# KiCad board CXD-ROUTER-V1.0_PUBLISH.kicad_pcb (continued)
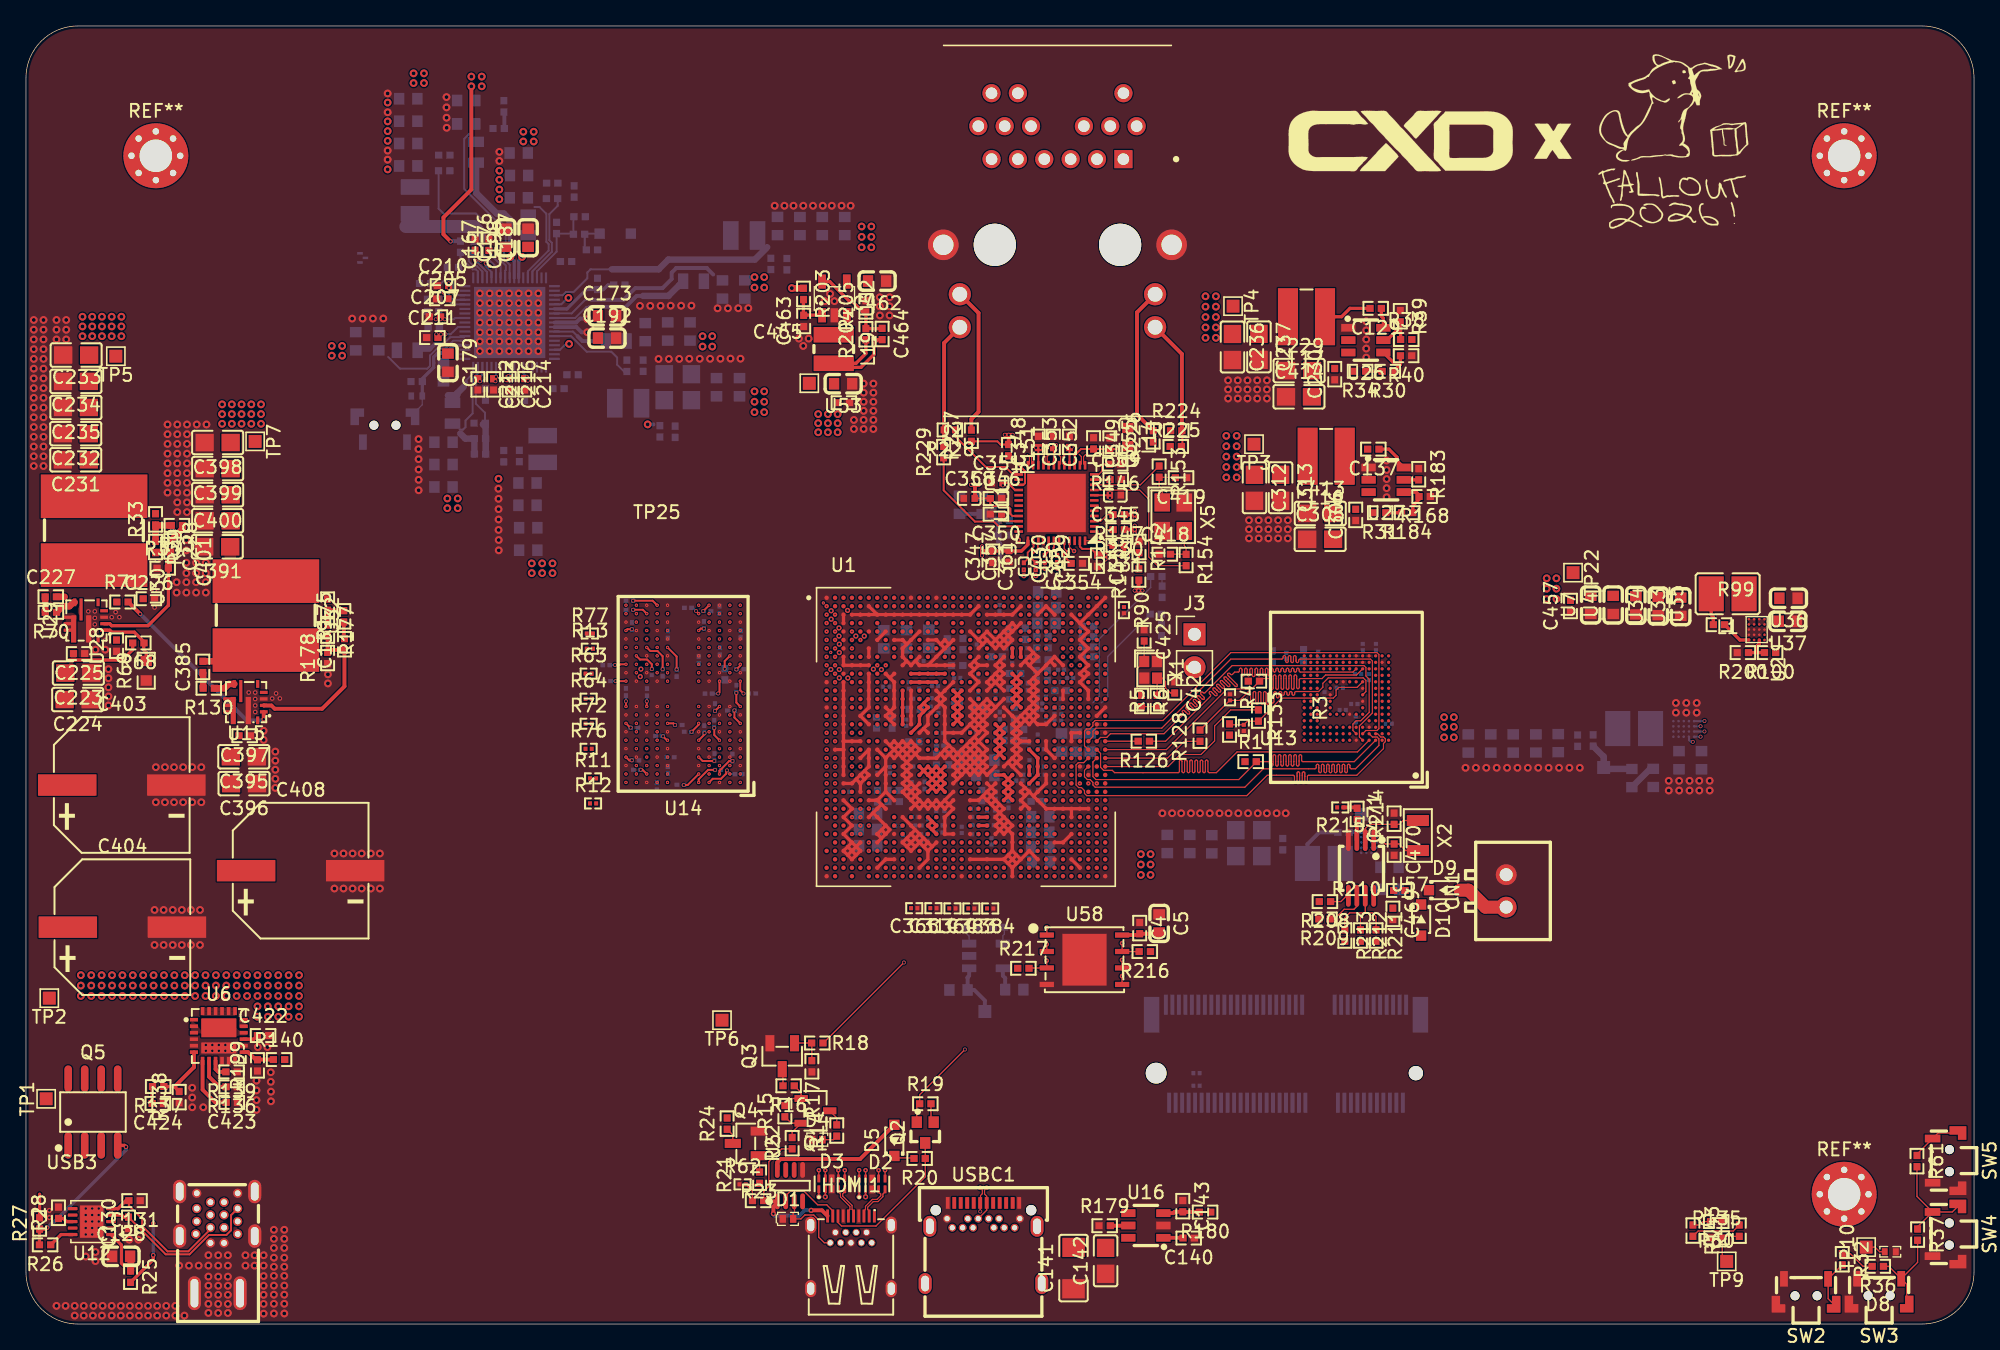
[diagram p0: board, top side]
## Routing (per net, layer and track width the routed paths; a pad name or vN(x,y) marks a point on that pad's centre or on a via; arc(x,y) is an arc through that point) (continued)
DDR_CH0_DQ15_B: length 26
  In1.Cu w0.09: v2(48.6,54.73) v7(48.9,55.03)
  In2.Cu w0.09: v2(61.65,54) v11(61.3,54)
  In2.Cu w0.131: v7(48.9,55.03) 48.9,55.43 48.92,55.44 arc(48.95,55.52) 48.92,55.59 48.75,55.76 arc(48.72,55.84) 48.75,55.91 arc(48.82,55.94) 48.9,55.91 49.07,55.74 arc(49.14,55.71) 49.22,55.74 49.22,55.75 arc(49.25,55.82) 49.22,55.89 arc(49.2,55.96) 49.22,56.03 49.23,56.04 arc(49.3,56.07) 49.37,56.04 arc(49.44,56.01) 49.52,56.04 49.52,56.05 arc(49.55,56.12) 49.52,56.19 arc(49.49,56.26) 49.52,56.33 49.53,56.34 arc(49.6,56.37) 49.67,56.34 arc(49.74,56.31) 49.81,56.34 arc(49.84,56.41) 49.81,56.49 49.75,56.55 arc(49.72,56.62) 49.75,56.7 arc(49.82,56.73) 49.9,56.7 49.96,56.64 arc(50.04,56.6) 50.11,56.64 arc(50.14,56.71) 50.11,56.78 49.84,57.06 arc(49.8,57.13) 49.84,57.21 arc(49.91,57.24) 49.98,57.21 50.58,56.62 arc(50.65,56.58) 50.73,56.62 arc(50.76,56.69) 50.73,56.76 50.13,57.36 arc(50.1,57.43) 50.13,57.51 arc(50.21,57.54) 50.28,57.51 50.88,56.91 arc(50.95,56.88) 51.02,56.91 arc(51.06,56.99) 51.02,57.06 50.43,57.66 arc(50.4,57.73) 50.43,57.8 arc(50.51,57.84) 50.58,57.8 51.17,57.21 arc(51.25,57.18) 51.32,57.21 arc(51.35,57.29) 51.32,57.36 50.73,57.95 arc(50.7,58.03) 50.73,58.1 arc(50.8,58.13) 50.88,58.1 51.47,57.51 arc(51.55,57.48) 51.62,57.51 arc(51.65,57.58) 51.62,57.66 51.27,58 arc(51.24,58.08) 51.27,58.15 arc(51.35,58.18) 51.42,58.15 51.45,58.12 arc(51.53,58.09) 51.6,58.12 57.05,58.12 61.17,54 v11(61.3,54)
DDR_CH0_DQS0_A_N: length 15.7
  In1.Cu w0.09: v2(63.6,45.55) v7(63.32,45.83)
  In1.Cu w0.1: v7(53.09,44.61) 53.11,44.61 v2(53.4,44.33)
  In2.Cu w0.103: v7(53.09,44.61) 52.99,44.71 52.99,44.92 53.15,45.07 arc(53.23,45.1) 53.32,45.07 arc(53.4,45.03) 53.48,45.07 53.49,45.08 arc(53.53,45.16) 53.49,45.25 arc(53.46,45.33) 53.49,45.42 53.5,45.42 arc(53.59,45.46) 53.67,45.42 arc(53.76,45.39) 53.84,45.42 53.85,45.43 arc(53.89,45.52) 53.85,45.6 arc(53.82,45.69) 53.85,45.77 53.86,45.78 arc(53.95,45.82) 54.03,45.78 arc(54.12,45.75) 54.2,45.78 54.21,45.79 arc(54.25,45.88) 54.21,45.96 arc(54.17,46.05) 54.21,46.13 54.22,46.14 arc(54.3,46.18) 54.39,46.14 arc(54.47,46.1) 54.56,46.14 54.57,46.15 arc(54.6,46.23) 54.57,46.32 arc(54.53,46.4) 54.57,46.49 54.58,46.5 arc(54.66,46.53) 54.75,46.5 arc(54.83,46.46) 54.92,46.5 54.93,46.51 arc(54.96,46.59) 54.93,46.68 arc(54.89,46.76) 54.93,46.85 54.93,46.86 arc(55.02,46.89) 55.1,46.86 arc(55.19,46.82) 55.27,46.86 55.28,46.87 arc(55.32,46.95) 55.28,47.03 arc(55.25,47.12) 55.28,47.2 55.58,47.5 62.67,47.5 63.52,46.66 63.52,46.03 v7(63.32,45.83)
DDR_CH0_DQS0_A_P: length 15.7
  In1.Cu w0.09: v2(64.25,45.55) v7(63.97,45.83)
  In1.Cu w0.1: v2(53.4,43.68) 53.11,43.97 v7(53.08,43.97)
  In2.Cu w0.103: v7(63.97,45.83) 63.77,46.03 63.77,46.76 62.78,47.75 55.47,47.75 52.69,44.96 52.69,44.36 v7(53.08,43.97)
DDR_CH0_DQS0_B_N: length 32.2
  In1.Cu w0.09: v7(53.1,52.48) v2(53.4,52.78) 53.45,52.78 ; v2(65.55,50.75) v4(65.25,50.45)
  In2.Cu w0.103: v4(65.25,50.45) 65.25,50.16 65.22,50.13 arc(65.12,50.09) 65.01,50.13 64.8,50.34 arc(64.7,50.38) 64.59,50.34 arc(64.55,50.23) 64.59,50.13 64.8,49.92 arc(64.84,49.81) 64.8,49.71 arc(64.69,49.66) 64.59,49.71 64.42,49.88 arc(64.31,49.92) 64.2,49.88 arc(64.16,49.77) 64.2,49.67 64.38,49.5 arc(64.42,49.39) 64.38,49.28 64.22,49.13 46.55,49.13 45.99,49.69 45.99,50.68 46.43,51.12 52.57,51.12 53,51.56 53,52.38 v7(53.1,52.48)
DDR_CH0_DQS0_B_P: length 32.1
  In1.Cu w0.09: v2(66.2,50.75) v4(65.87,50.42) ; v2(53.4,53.43) v7(53.1,53.12)
  In2.Cu w0.103: v7(53.1,53.12) 52.75,52.78 52.75,51.66 52.46,51.38 46.33,51.38 45.73,50.78 45.73,49.59 46.45,48.87 64.32,48.87 v4(65.87,50.42)
DDR_CH0_DQS1_A_N: length 22.9
  In1.Cu w0.09: v7(63.93,43.28) v2(63.6,42.95)
  In1.Cu w0.1: v2(47.8,44.33) 48.11,44.64 v7(48.14,44.64)
  In2.Cu w0.103: v7(63.93,43.28) 64.12,43.47 64.12,45.25 64.47,45.6 64.47,46.41 62.88,48 51.2,48 48.14,44.94 v7(48.14,44.64)
DDR_CH0_DQS1_A_P: length 24.6
  In1.Cu w0.09: v2(64.25,42.95) 64.57,43.27 v7(64.58,43.27)
  In1.Cu w0.1: v2(47.8,43.68) v7(48.15,44.03)
  In2.Cu w0.103: v7(64.58,43.27) 64.38,43.47 64.38,45.15 64.73,45.5 64.73,46.52 63.17,48.07 62.99,48.26 51.09,48.26 47.73,44.9 47.73,44.44 v7(48.15,44.03)
DDR_CH0_DQS1_B_N: length 32.4
  In1.Cu w0.09: v2(63.6,52.7) v4(63.9,53) ; v2(47.8,52.78) v7(47.5,52.48)
  In2.Cu w0.103: v7(47.5,52.48) 47.5,52.21 47.19,51.91 45.99,51.91 45.23,52.67 45.23,56.5 49.04,60.32 58.79,60.32 64.1,55.02 64.1,53.2 v4(63.9,53)
DDR_CH0_DQS1_B_P: length 35.2
  In1.Cu w0.09: v2(64.25,52.7) v4(64.55,53) ; v2(47.8,53.43) v7(48.1,53.12)
  In2.Cu w0.103: v7(48.1,53.12) 48.43,52.79 47.3,51.66 45.89,51.66 44.97,52.57 44.97,56.61 48.94,60.58 58.9,60.58 64.35,55.12 64.35,53.2 v4(64.55,53)
DDR_CH0_LP4/4X_CKE0_A:
  vias: v2(52.6,46.93)
DDR_CH0_LP4/4X_CKE0_B:
  vias: v2(52.6,50.18)
DDR_CH0_LP4/4X_CS0_A:
  vias: v2(52.6,46.28)
DDR_CH0_LP4/4X_CS0_B:
  vias: v2(52.6,50.83)
DDR_RESET: length 1.8
  Top w0.15: v2(47,51.48) 47.28,51.2 47.83,51.2 48.19,50.83 v5(48.19,50.46)
eMMC_CLKOUT: length 34
  Top w0.09: R126.1 87.75,44.9 91.2,48.35 arc(91.23,48.42) 91.2,48.49 91.13,48.56 arc(91.1,48.63) 91.13,48.7 arc(91.2,48.73) 91.27,48.7 91.55,48.42 arc(91.62,48.39) 91.69,48.42 arc(91.72,48.49) 91.69,48.57 91.42,48.84 arc(91.39,48.91) 91.42,48.99 arc(91.49,49.01) 91.56,48.99 91.84,48.71 arc(91.91,48.68) 91.98,48.71 arc(92.01,48.78) 91.98,48.85 91.7,49.13 arc(91.67,49.2) 91.7,49.27 arc(91.77,49.3) 91.84,49.27 92.12,48.99 arc(92.19,48.96) 92.26,48.99 arc(92.29,49.06) 92.26,49.13 91.98,49.41 arc(91.95,49.48) 91.98,49.55 arc(92.05,49.58) 92.12,49.55 92.54,49.13 arc(92.61,49.1) 92.68,49.13 arc(92.71,49.2) 92.68,49.27 92.26,49.69 arc(92.23,49.76) 92.26,49.83 arc(92.33,49.86) 92.41,49.83 93.11,49.13 arc(93.18,49.1) 93.25,49.13 arc(93.28,49.2) 93.25,49.27 92.55,49.98 arc(92.52,50.05) 92.55,50.12 arc(92.62,50.15) 92.69,50.12 92.76,50.05 arc(92.83,50.02) 92.9,50.05 93.08,50.23 93.34,50.23 arc(93.41,50.25) 93.44,50.33 93.44,50.42 arc(93.46,50.49) 93.54,50.52 arc(93.61,50.49) 93.64,50.42 93.64,50.03 arc(93.66,49.96) 93.74,49.93 arc(93.81,49.96) 93.84,50.03 93.84,50.42 arc(93.86,50.49) 93.94,50.52 arc(94.01,50.49) 94.04,50.42 94.04,50.03 arc(94.06,49.96) 94.14,49.93 arc(94.21,49.96) 94.24,50.03 94.24,50.42 arc(94.26,50.49) 94.34,50.52 arc(94.41,50.49) 94.44,50.42 94.44,49.98 arc(94.46,49.91) 94.54,49.88 arc(94.61,49.91) 94.64,49.98 94.64,50.42 arc(94.66,50.49) 94.74,50.52 arc(94.81,50.49) 94.84,50.42 94.84,50.03 arc(94.86,49.96) 94.94,49.93 arc(95.01,49.96) 95.04,50.03 95.04,50.42 arc(95.06,50.49) 95.14,50.52 arc(95.21,50.49) 95.24,50.42 95.24,50.03 arc(95.26,49.96) 95.34,49.93 arc(95.41,49.96) 95.44,50.03 95.44,50.42 arc(95.46,50.49) 95.54,50.52 arc(95.61,50.49) 95.64,50.42 95.64,50.03 arc(95.66,49.96) 95.74,49.93 arc(95.81,49.96) 95.84,50.03 95.84,50.42 arc(95.86,50.49) 95.94,50.52 arc(96.01,50.49) 96.04,50.42 96.04,50.33 arc(96.06,50.25) 96.14,50.23 arc(96.21,50.25) 96.24,50.33 96.24,50.42 arc(96.26,50.49) 96.34,50.52 arc(96.41,50.49) 96.44,50.42 96.44,50.33 arc(96.46,50.25) 96.54,50.23 arc(96.61,50.25) 96.64,50.33 96.64,50.42 arc(96.66,50.49) 96.74,50.52 arc(96.81,50.49) 96.84,50.42 96.84,50.33 arc(96.86,50.25) 96.94,50.23 arc(97.01,50.25) 97.04,50.33 97.04,50.42 arc(97.06,50.49) 97.14,50.52 arc(97.21,50.49) 97.24,50.42 97.24,50.33 arc(97.26,50.25) 97.34,50.23 arc(97.41,50.25) 97.44,50.33 97.44,50.42 arc(97.46,50.49) 97.54,50.52 arc(97.61,50.49) 97.64,50.42 97.64,50.33 arc(97.66,50.25) 97.74,50.23 arc(97.81,50.25) 97.84,50.33 97.84,50.42 arc(97.86,50.49) 97.94,50.52 arc(98.01,50.49) 98.04,50.42 98.04,50.33 arc(98.06,50.25) 98.14,50.23 102.17,50.23 U13.M6
eMMC_CMD: length 34.1
  Top w0.09: 83.1,44.25 87.81,44.25 92.49,48.93 94.39,48.93 R2.2 95.18,49.73 95.74,49.73 arc(95.81,49.7) 95.84,49.62 95.84,48.99 arc(95.87,48.92) 95.94,48.89 arc(96.01,48.92) 96.04,48.99 96.04,49.91 arc(96.07,49.98) 96.14,50.01 arc(96.21,49.98) 96.24,49.91 96.24,48.99 arc(96.27,48.92) 96.34,48.89 arc(96.41,48.92) 96.44,48.99 96.44,49.91 arc(96.47,49.98) 96.54,50.01 arc(96.61,49.98) 96.64,49.91 96.64,48.99 arc(96.67,48.92) 96.74,48.89 arc(96.81,48.92) 96.84,48.99 96.84,49.91 arc(96.87,49.98) 96.94,50.01 arc(97.01,49.98) 97.04,49.91 97.04,48.99 arc(97.07,48.92) 97.14,48.89 arc(97.21,48.92) 97.24,48.99 97.24,49.91 arc(97.27,49.98) 97.34,50.01 arc(97.41,49.98) 97.44,49.91 97.44,48.99 arc(97.47,48.92) 97.54,48.89 arc(97.61,48.92) 97.64,48.99 97.64,49.91 arc(97.67,49.98) 97.74,50.01 arc(97.81,49.98) 97.84,49.91 97.84,49.04 arc(97.87,48.97) 97.94,48.94 arc(98.01,48.97) 98.04,49.04 98.04,49.62 arc(98.07,49.7) 98.14,49.73 99.79,49.73 100.07,50 102.45,50 U13.M5
eMMC_D0: length 34
  Top w0.09: U13.A3 102.27,43.33 98.33,43.33 arc(98.26,43.35) 98.23,43.43 98.23,43.76 arc(98.2,43.83) 98.13,43.86 arc(98.06,43.83) 98.03,43.76 98.03,43.09 arc(98,43.02) 97.93,42.99 arc(97.86,43.02) 97.83,43.09 97.83,43.76 arc(97.8,43.83) 97.73,43.86 arc(97.66,43.83) 97.63,43.76 97.63,43.09 arc(97.6,43.02) 97.53,42.99 arc(97.46,43.02) 97.43,43.09 97.43,43.76 arc(97.4,43.83) 97.33,43.86 arc(97.26,43.83) 97.23,43.76 97.23,43.09 arc(97.2,43.02) 97.13,42.99 arc(97.06,43.02) 97.03,43.09 97.03,43.76 arc(97,43.83) 96.93,43.86 arc(96.86,43.83) 96.83,43.76 96.83,43.09 arc(96.8,43.02) 96.73,42.99 arc(96.66,43.02) 96.63,43.09 96.63,43.76 arc(96.6,43.83) 96.53,43.86 arc(96.46,43.83) 96.43,43.76 96.43,43.09 arc(96.4,43.02) 96.33,42.99 arc(96.26,43.02) 96.23,43.09 96.23,43.76 arc(96.2,43.83) 96.13,43.86 arc(96.06,43.83) 96.03,43.76 96.03,43.09 arc(96,43.02) 95.93,42.99 arc(95.86,43.02) 95.83,43.09 95.83,43.23 arc(95.8,43.3) 95.73,43.33 R1.2 94.73,43.3 93.39,41.95 82.39,41.95 82.15,42.18 82.15,43.31 U1.Y33
eMMC_D1: length 34
  Top w0.09: U13.A4 102.52,44.08 93.26,44.08 91.66,42.48 91.11,42.48 arc(91.04,42.5) 91.01,42.58 91.01,43.35 arc(90.98,43.42) 90.91,43.45 arc(90.84,43.42) 90.81,43.35 90.81,42.58 arc(90.78,42.5) 90.71,42.48 arc(90.64,42.5) 90.61,42.58 90.61,43.35 arc(90.58,43.42) 90.51,43.45 arc(90.44,43.42) 90.41,43.35 90.41,42.58 arc(90.38,42.5) 90.31,42.48 arc(90.24,42.5) 90.21,42.58 90.21,43.35 arc(90.18,43.42) 90.11,43.45 arc(90.04,43.42) 90.01,43.35 90.01,42.58 arc(89.98,42.5) 89.91,42.48 arc(89.84,42.5) 89.81,42.58 89.81,43.35 arc(89.78,43.42) 89.71,43.45 arc(89.64,43.42) 89.61,43.35 89.61,42.58 arc(89.58,42.5) 89.51,42.48 arc(89.44,42.5) 89.41,42.58 89.41,43.35 arc(89.38,43.42) 89.31,43.45 arc(89.24,43.42) 89.21,43.35 89.21,42.58 arc(89.18,42.5) 89.11,42.48 arc(89.04,42.5) 89.01,42.58 89.01,43.35 arc(88.98,43.42) 88.91,43.45 arc(88.84,43.42) 88.81,43.35 88.81,42.58 arc(88.78,42.5) 88.71,42.48 83.83,42.48 83.64,42.66 82.98,42.66 82.74,42.89 82.74,43.96 U1.W33
eMMC_D2: length 34
  Top w0.09: U13.A5 102.67,45.23 102.67,46.08 103.67,47.08 103.67,51.08 103.53,51.23 98.1,51.23 arc(98.03,51.2) 98,51.12 98,51.06 arc(97.97,50.99) 97.9,50.96 arc(97.83,50.99) 97.8,51.06 97.8,51.39 arc(97.77,51.46) 97.7,51.49 arc(97.63,51.46) 97.6,51.39 97.6,51.06 arc(97.57,50.99) 97.5,50.96 arc(97.43,50.99) 97.4,51.06 97.4,51.39 arc(97.37,51.46) 97.3,51.49 arc(97.23,51.46) 97.2,51.39 97.2,51.06 arc(97.17,50.99) 97.1,50.96 arc(97.03,50.99) 97,51.06 97,51.39 arc(96.97,51.46) 96.9,51.49 arc(96.83,51.46) 96.8,51.39 96.8,51.33 arc(96.77,51.25) 96.7,51.23 92.77,51.23 87.45,45.91 82.39,45.91 82.15,45.67 82.15,45.26 U1.V32
eMMC_D4: length 34
  Top w0.09: U13.B3 104.07,45.48 104.32,45.23 104.53,45.23 104.67,45.08 104.67,44.87 104.53,44.73 104.53,44.33 102.48,42.28 98.77,42.28 arc(98.7,42.25) 98.67,42.18 98.67,41.81 arc(98.64,41.74) 98.57,41.71 arc(98.5,41.74) 98.47,41.81 98.47,42.44 arc(98.44,42.51) 98.37,42.54 arc(98.3,42.51) 98.27,42.44 98.27,41.81 arc(98.24,41.74) 98.17,41.71 arc(98.1,41.74) 98.07,41.81 98.07,42.44 arc(98.04,42.51) 97.97,42.54 arc(97.9,42.51) 97.87,42.44 97.87,41.81 arc(97.84,41.74) 97.77,41.71 arc(97.7,41.74) 97.67,41.81 97.67,42.18 arc(97.64,42.25) 97.57,42.28 95.58,42.28 94.01,40.71 81.68,40.71 81.51,40.88 81.51,41.09 81.27,41.33 81.06,41.33 80.86,41.53 80.86,43.07 81.03,43.25 81.45,43.25 U1.Y32
eMMC_D5: length 34
  Top w0.09: U1.AA32 81.51,42.66 81.51,42.17 81.73,41.95 81.93,41.95 82.15,41.73 82.15,41.53 82.33,41.36 93.86,41.36 95.27,42.78 99.25,42.78 arc(99.32,42.8) 99.35,42.88 99.35,43.02 arc(99.38,43.09) 99.45,43.12 arc(99.52,43.09) 99.55,43.02 99.55,42.58 arc(99.58,42.51) 99.65,42.48 arc(99.72,42.51) 99.75,42.58 99.75,43.02 arc(99.78,43.09) 99.85,43.12 arc(99.92,43.09) 99.95,43.02 99.95,42.58 arc(99.98,42.51) 100.05,42.48 arc(100.12,42.51) 100.15,42.58 100.15,43.02 arc(100.18,43.09) 100.25,43.12 arc(100.32,43.09) 100.35,43.02 100.35,42.58 arc(100.38,42.51) 100.45,42.48 arc(100.52,42.51) 100.55,42.58 100.55,43.02 arc(100.58,43.09) 100.65,43.12 arc(100.72,43.09) 100.75,43.02 100.75,42.58 arc(100.78,42.51) 100.85,42.48 arc(100.92,42.51) 100.95,42.58 100.95,43.02 arc(100.98,43.09) 101.05,43.12 arc(101.12,43.09) 101.15,43.02 101.15,42.58 arc(101.18,42.51) 101.25,42.48 arc(101.32,42.51) 101.35,42.58 101.35,43.02 arc(101.38,43.09) 101.45,43.12 arc(101.52,43.09) 101.55,43.02 101.55,42.58 arc(101.58,42.51) 101.65,42.48 arc(101.72,42.51) 101.75,42.58 101.75,43.02 arc(101.78,43.09) 101.85,43.12 arc(101.92,43.09) 101.95,43.02 101.95,42.88 arc(101.98,42.8) 102.05,42.78 102.37,42.78 104.17,44.58 104.17,45.08 104.03,45.23 103.67,45.23 U13.B4
eMMC_D6: length 34
  Top w0.09: U1.W32 81.51,44.55 81.51,45.67 81.68,45.84 81.92,45.84 82.15,46.08 82.15,46.32 82.33,46.5 87.55,46.5 92.77,51.73 104.03,51.73 104.17,51.58 104.17,45.87 104.03,45.73 103.17,45.73 U13.B5
eMMC_D7: length 34.1
  Top w0.09: U13.B6 102.17,45.73 102.17,46.23 102.42,46.47 102.77,46.47 103.42,47.12 103.42,49.68 103.17,49.93 103.17,50.58 103.03,50.73 92.87,50.73 90.79,48.64 arc(90.71,48.61) 90.64,48.64 90.61,48.67 arc(90.54,48.7) 90.47,48.67 arc(90.44,48.6) 90.47,48.53 90.71,48.29 arc(90.74,48.21) 90.71,48.14 arc(90.64,48.11) 90.57,48.14 90.33,48.38 arc(90.26,48.41) 90.19,48.38 arc(90.16,48.31) 90.19,48.24 90.43,48 arc(90.46,47.93) 90.43,47.86 arc(90.36,47.83) 90.29,47.86 90.05,48.1 arc(89.98,48.13) 89.9,48.1 arc(89.88,48.03) 89.9,47.96 90.15,47.72 arc(90.18,47.65) 90.15,47.58 arc(90.08,47.55) 90,47.58 89.76,47.82 arc(89.69,47.85) 89.62,47.82 arc(89.59,47.75) 89.62,47.68 89.86,47.44 arc(89.89,47.37) 89.86,47.3 arc(89.79,47.27) 89.72,47.3 89.48,47.54 arc(89.41,47.57) 89.34,47.54 arc(89.31,47.47) 89.34,47.39 89.58,47.15 arc(89.61,47.08) 89.58,47.01 arc(89.51,46.98) 89.44,47.01 89.2,47.25 arc(89.13,47.28) 89.06,47.25 arc(89.03,47.18) 89.06,47.11 89.09,47.08 arc(89.12,47.01) 89.09,46.94 87.62,45.48 83.5,45.48 83.22,45.2 82.74,45.2 U1.V33
eMMC_DATA_STROBE: length 26.7
  Top w0.09: U13.H5 103.17,48.73 103.17,49.58 102.97,49.78 100.28,49.78 99.86,49.36 99.86,49.06 99.53,48.73 97.79,48.73 arc(97.72,48.7) 97.69,48.62 97.69,48.54 arc(97.66,48.47) 97.59,48.44 arc(97.52,48.47) 97.49,48.54 97.49,48.62 arc(97.46,48.7) 97.39,48.73 arc(97.32,48.7) 97.29,48.62 97.29,48.54 arc(97.26,48.47) 97.19,48.44 arc(97.12,48.47) 97.09,48.54 97.09,48.62 arc(97.06,48.7) 96.99,48.73 arc(96.92,48.7) 96.89,48.62 96.89,48.54 arc(96.86,48.47) 96.79,48.44 arc(96.72,48.47) 96.69,48.54 96.69,48.62 arc(96.66,48.7) 96.59,48.73 arc(96.52,48.7) 96.49,48.62 96.49,48.34 arc(96.46,48.27) 96.39,48.24 arc(96.32,48.27) 96.29,48.34 96.29,48.62 arc(96.26,48.7) 96.19,48.73 arc(96.12,48.7) 96.09,48.62 96.09,47.94 arc(96.06,47.87) 95.99,47.84 arc(95.92,47.87) 95.89,47.94 95.89,48.62 arc(95.86,48.7) 95.79,48.73 arc(95.72,48.7) 95.69,48.62 95.69,47.84 arc(95.66,47.77) 95.59,47.74 arc(95.52,47.77) 95.49,47.84 95.49,48.62 arc(95.46,48.7) 95.39,48.73 arc(95.32,48.7) 95.29,48.62 95.29,47.84 arc(95.26,47.77) 95.19,47.74 arc(95.12,47.77) 95.09,47.84 95.09,48.62 arc(95.06,48.7) 94.99,48.73 arc(94.92,48.7) 94.89,48.62 94.89,47.84 arc(94.86,47.77) 94.79,47.74 arc(94.72,47.77) 94.69,47.84 94.69,48.62 arc(94.66,48.7) 94.59,48.73 arc(94.52,48.7) 94.49,48.62 94.49,47.84 arc(94.46,47.77) 94.39,47.74 arc(94.32,47.77) 94.29,47.84 94.29,48.62 arc(94.26,48.7) 94.19,48.73 94.14,48.73 93.45,48.04 R4.2
  Top w0.1: R128.1 92.68,48.04 R4.2
eMMC_RSTn: length 11.9
  Top w0.09: R3.2 92.74,46.17 C3.1 94.05,46.44 R133.1 96.68,48.23 100.67,48.23 100.87,48.43 100.87,48.83 101.09,49.05 102.49,49.05 U13.K5
FSPI_CLK: length 16.5
  Top w0.1: 84.4,27.47 84.4,28.04
  In1.Cu w0.09: 82.47,40.33 v7(82.75,40.05)
  In2.Cu w0.1: v9(84.39,28.05) 84.3,28.05 83.75,28.6 83.75,37.26 arc(83.78,37.33) 83.85,37.36 83.98,37.36 arc(84.05,37.38) 84.08,37.46 arc(84.05,37.53) 83.98,37.56 83.52,37.56 arc(83.45,37.58) 83.42,37.66 arc(83.45,37.73) 83.52,37.76 83.98,37.76 arc(84.05,37.78) 84.08,37.86 arc(84.05,37.93) 83.98,37.96 83.52,37.96 arc(83.45,37.98) 83.42,38.06 arc(83.45,38.13) 83.52,38.16 83.98,38.16 arc(84.05,38.18) 84.08,38.26 arc(84.05,38.33) 83.98,38.36 83.85,38.36 arc(83.78,38.38) 83.75,38.46 83.75,39.05 v7(82.75,40.05)
  vias: v2(82.45,40.35)
FSPI_CS0: length 15.8
  Top w0.1: v9(78.6,30.55) 78.61,30.55 U58.1
  In1.Cu w0.09: 81.13,42.28 v7(80.85,42)
  In2.Cu w0.1: v7(80.85,42) 80,41.15 80,34.6 arc(80.03,34.53) 80.1,34.5 80.2,34.5 arc(80.27,34.48) 80.3,34.4 arc(80.27,34.33) 80.2,34.3 79.8,34.3 arc(79.73,34.28) 79.7,34.2 arc(79.73,34.13) 79.8,34.1 80.2,34.1 arc(80.27,34.08) 80.3,34 arc(80.27,33.93) 80.2,33.9 79.8,33.9 arc(79.73,33.88) 79.7,33.8 arc(79.73,33.73) 79.8,33.7 80.2,33.7 arc(80.27,33.68) 80.3,33.6 arc(80.27,33.53) 80.2,33.5 80.1,33.5 arc(80.03,33.48) 80,33.4 80,32 78.6,30.6 v9(78.6,30.55)
  vias: v2(81.15,42.3)
FSPI_D0: length 16.5
  Top w0.1: 84.4,26.22 84.4,26.79
  In1.Cu w0.09: 81.82,41.63 v7(82.1,41.35)
  In2.Cu w0.1: v9(84.39,26.8) 83.05,28.14 83.05,39.15 82.1,40.1 v7(82.1,41.35)
  vias: v2(81.8,41.65)
FSPI_D1: length 16.5
  Top w0.1: 78.6,28.68 78.6,29.25
  In1.Cu w0.09: 81.13,41.63 v7(80.85,41.35)
  In2.Cu w0.1: v9(78.6,29.26) 80.85,31.51 80.85,35.76 arc(80.88,35.83) 80.95,35.86 81.05,35.86 arc(81.12,35.89) 81.15,35.96 arc(81.12,36.03) 81.05,36.06 80.65,36.06 arc(80.58,36.09) 80.55,36.16 arc(80.58,36.23) 80.65,36.26 81.05,36.26 arc(81.12,36.29) 81.15,36.36 arc(81.12,36.43) 81.05,36.46 80.65,36.46 arc(80.58,36.49) 80.55,36.56 arc(80.58,36.63) 80.65,36.66 81.05,36.66 arc(81.12,36.69) 81.15,36.76 arc(81.12,36.83) 81.05,36.86 80.95,36.86 arc(80.88,36.89) 80.85,36.96 v7(80.85,41.35)
  vias: v2(81.15,41.65)
FSPI_D2: length 17.9
  Top w0.1: U58.3 77.26,27.43 R217.2 ; 78.6,27.41 78.6,27.99
  In1.Cu w0.09: 81.78,40.33 v7(81.5,40.05)
  In2.Cu w0.1: v7(81.5,40.05) 81.5,38.99 arc(81.53,38.92) 81.6,38.89 81.73,38.89 arc(81.8,38.86) 81.83,38.79 arc(81.8,38.72) 81.73,38.69 81.27,38.69 arc(81.2,38.66) 81.17,38.59 arc(81.2,38.52) 81.27,38.49 81.73,38.49 arc(81.8,38.46) 81.83,38.39 arc(81.8,38.32) 81.73,38.29 81.27,38.29 arc(81.2,38.26) 81.17,38.19 arc(81.2,38.12) 81.27,38.09 81.4,38.09 arc(81.47,38.06) 81.5,37.99 81.5,30.89 v9(78.6,27.99)
  vias: v2(81.8,40.35)
FSPI_D3: length 17.4
  Top w0.1: R216.2 84.41,28.7 84.4,28.7 ; 84.4,28.76 84.4,29.34
  In1.Cu w0.09: v2(82.45,41.65) v7(82.73,41.37)
  In2.Cu w0.1: v7(82.73,41.37) 82.73,41.32 83.2,40.85 arc(83.27,40.82) 83.34,40.85 83.45,40.95 arc(83.52,40.98) 83.59,40.95 arc(83.62,40.88) 83.59,40.81 83.24,40.46 arc(83.21,40.39) 83.24,40.32 arc(83.31,40.29) 83.38,40.32 83.73,40.67 arc(83.8,40.7) 83.87,40.67 arc(83.9,40.6) 83.87,40.53 83.52,40.18 arc(83.49,40.11) 83.52,40.04 arc(83.59,40.01) 83.66,40.04 83.77,40.14 arc(83.84,40.17) 83.91,40.14 84.4,39.65 84.4,39.1 84.4,39.1 v9(84.4,29.34)
HDMI_RX_CEC: length 26.8
  Top w0.1: v5(72.3,21.15) 68.81,17.66 R19.1 68.59,16.75 Q2.1
  In1.Cu w0.1: v2(75.95,39.05) v7(76.25,38.75)
  In2.Cu w0.1: v7(76.25,38.75) 76.3,38.7 76.3,25.15 v5(72.3,21.15)
HDMI_RX_CEC_PORT: length 11.5
  Top w0.1: Q2.3 69.24,12.76 ; R20.1 69.24,11.34 65.45,7.55 62.8,7.55 62.52,7.83 HDMI1.15
HDMI_RX_CLK_PORT_N: length 35.9
  Top w0.09: D3.1 v4(61.05,9.8)
  Top w0.091: D3.10 v9(61.05,11.85)
  In1.Cu w0.09: 63.94,40.01 64.26,39.69
  In2.Cu w0.09: HDMI1.14 62.72,7.82 61.21,9.33 61.21,9.64 v4(61.05,9.8)
  In2.Cu w0.091: v7(63.93,40.01) 64.12,39.81 64.12,39.67 64.01,39.56 63.16,39.56 61.19,37.59 61.19,11.99 v9(61.05,11.85)
  vias: v2(64.27,39.69)
HDMI_RX_CLK_PORT_P: length 35.8
  Top w0.09: D3.2 v4(61.55,9.8)
  Top w0.091: D3.9 v9(61.55,11.85)
  In1.Cu w0.09: 64.59,40.06 64.91,39.74
  In2.Cu w0.09: HDMI1.12 62.89,7.29 62.89,7.89 62.7,8.09 arc(62.67,8.14) 62.7,8.2 arc(62.72,8.25) 62.7,8.3 62.59,8.41 arc(62.54,8.43) 62.48,8.41 arc(62.43,8.39) 62.38,8.41 62.27,8.52 arc(62.25,8.57) 62.27,8.62 arc(62.29,8.67) 62.27,8.73 62.17,8.83 arc(62.11,8.86) 62.06,8.83 arc(62.01,8.81) 61.95,8.83 61.85,8.94 arc(61.83,8.99) 61.85,9.05 arc(61.87,9.1) 61.85,9.15 61.74,9.26 arc(61.69,9.28) 61.64,9.26 arc(61.58,9.24) 61.53,9.26 61.39,9.4 61.39,9.64 v4(61.55,9.8)
  In2.Cu w0.091: v7(64.58,40.06) 64.33,39.81 64.33,39.58 64.09,39.34 63.24,39.34 61.41,37.51 61.41,11.99 v9(61.55,11.85)
  vias: v2(64.92,39.74)
HDMI_RX_D0_PORT_N: length 33.6
  Top w0.09: HDMI1.11 63.33,8.72 63.44,8.83 63.44,9.07 62.72,9.79 62.72,10.03 62.55,10.19 D3.4
  Top w0.091: D3.7 v9(62.55,11.85)
  In1.Cu w0.09: 63.3,38.71 63.61,39.03
  In2.Cu w0.091: v9(62.55,11.85) 62.69,11.99 62.69,12.7 arc(62.67,12.76) 62.61,12.79 62.59,12.79 arc(62.38,12.87) 62.29,13.08 arc(62.38,13.29) 62.59,13.38 63.01,13.38 arc(63.07,13.4) 63.1,13.46 arc(63.07,13.53) 63.01,13.55 62.59,13.55 arc(62.38,13.64) 62.29,13.85 arc(62.38,14.06) 62.59,14.14 63.01,14.14 arc(63.07,14.17) 63.1,14.23 arc(63.07,14.29) 63.01,14.32 62.99,14.32 arc(62.78,14.4) 62.69,14.61 62.69,34.86 62.32,35.24 62.32,37.22 63.52,38.42 63.52,38.48 v7(63.3,38.7)
  vias: v2(63.61,39.04)
HDMI_RX_D0_PORT_P: length 33.6
  Top w0.09: D3.5 63.05,10.19 62.88,10.03 62.88,9.86 63.61,9.14 63.61,8.83 63.72,8.72 HDMI1.9
  Top w0.091: D3.6 v9(63.05,11.85)
  In1.Cu w0.09: 63.95,38.71 64.26,39.03
  In2.Cu w0.091: v7(63.95,38.7) 63.73,38.48 63.73,38.33 62.53,37.13 62.53,35.32 62.91,34.94 62.91,14.61 arc(62.93,14.55) 62.99,14.53 63.01,14.53 arc(63.22,14.44) 63.31,14.23 arc(63.22,14.02) 63.01,13.93 62.59,13.93 arc(62.53,13.91) 62.5,13.85 arc(62.53,13.79) 62.59,13.76 63.01,13.76 arc(63.22,13.67) 63.31,13.46 arc(63.22,13.25) 63.01,13.17 62.59,13.17 arc(62.53,13.14) 62.5,13.08 arc(62.53,13.02) 62.59,13 62.61,13 arc(62.82,12.91) 62.91,12.7 62.91,11.99 v9(63.05,11.85)
  vias: v2(64.26,39.04)
HDMI_RX_D1_PORT_N: length 35.2
  Top w0.09: D2.1 v4(64.15,9.8)
  Top w0.091: D2.10 v9(64.15,11.85)
  In1.Cu w0.09: 64.57,38.71 64.25,38.4
  In2.Cu w0.09: HDMI1.8 64.15,7.29 64.15,7.47 64.31,7.63 64.31,7.78 arc(64.29,7.84) 64.24,7.86 arc(64.19,7.88) 64.17,7.93 64.17,8.08 arc(64.19,8.14) 64.24,8.16 arc(64.29,8.18) 64.31,8.23 64.31,8.38 arc(64.29,8.44) 64.24,8.46 arc(64.19,8.48) 64.17,8.53 64.17,8.68 arc(64.19,8.74) 64.24,8.76 arc(64.29,8.78) 64.31,8.83 64.31,8.98 arc(64.29,9.04) 64.24,9.06 arc(64.19,9.08) 64.17,9.13 64.17,9.28 arc(64.19,9.34) 64.24,9.36 arc(64.29,9.38) 64.31,9.43 64.31,9.64 v4(64.15,9.8)
  In2.Cu w0.091: v7(64.6,38.75) 64.6,38.39 64.37,38.16 63.86,38.16 63.01,37.31 63.01,35.64 63.59,35.06 63.59,32.43 arc(63.57,32.38) 63.52,32.36 arc(63.48,32.35) 63.46,32.3 63.46,32.13 arc(63.48,32.08) 63.52,32.06 arc(63.57,32.05) 63.59,32 63.59,18.64 64.3,17.93 64.3,15.69 arc(64.38,15.5) 64.57,15.42 arc(64.62,15.4) 64.64,15.35 64.64,15.32 arc(64.62,15.27) 64.57,15.25 64.23,15.25 arc(64.03,15.17) 63.95,14.97 63.95,14.95 arc(64.03,14.75) 64.23,14.67 64.57,14.67 arc(64.62,14.65) 64.64,14.6 64.64,14.56 arc(64.62,14.51) 64.57,14.49 arc(64.38,14.41) 64.3,14.22 64.3,12 v9(64.15,11.85)
  vias: v2(64.25,38.4)
HDMI_RX_D1_PORT_P: length 35.4
  Top w0.09: D2.2 v4(64.65,9.8)
  Top w0.091: D2.9 v9(64.65,11.85)
  In1.Cu w0.09: 65.2,38.7 64.89,38.39
  In2.Cu w0.09: HDMI1.6 64.33,7.4 64.48,7.56 64.48,9.64 v4(64.65,9.8)
  In2.Cu w0.091: v9(64.65,11.85) 64.5,12 64.5,14.22 arc(64.52,14.27) 64.57,14.29 arc(64.76,14.37) 64.84,14.56 64.84,14.6 arc(64.76,14.8) 64.57,14.87 64.23,14.87 arc(64.18,14.9) 64.15,14.95 64.15,14.97 arc(64.18,15.02) 64.23,15.05 64.57,15.05 arc(64.76,15.13) 64.84,15.32 64.84,15.35 arc(64.76,15.54) 64.57,15.62 arc(64.52,15.64) 64.5,15.69 64.5,18.03 63.8,18.73 63.8,35.15 63.22,35.73 63.22,37.22 63.94,37.94 64.46,37.94 v7(65.24,38.72)
  vias: v2(64.9,38.4)
HDMI_RX_D2_PORT_N: length 34
  Top w0.09: HDMI1.5 64.52,8.72 64.64,8.83 64.64,9.07 65.17,9.6 65.53,9.6 65.81,9.89 65.81,10.02 65.65,10.18 D2.4
  Top w0.091: D2.7 v9(65.65,11.85)
  In1.Cu w0.09: 63.92,37.44 63.61,37.75
  In2.Cu w0.091: v7(63.94,37.44) 64,37.38 64,35.7 64.79,34.91 64.79,32.81 arc(64.76,32.76) 64.71,32.73 arc(64.65,32.71) 64.63,32.65 64.63,32.51 arc(64.65,32.46) 64.71,32.43 arc(64.76,32.41) 64.79,32.35 64.79,32.21 arc(64.76,32.16) 64.71,32.13 arc(64.65,32.11) 64.63,32.05 64.63,31.91 arc(64.65,31.86) 64.71,31.83 arc(64.76,31.81) 64.79,31.75 64.79,31.61 arc(64.76,31.56) 64.71,31.53 arc(64.65,31.51) 64.63,31.45 64.63,31.31 arc(64.65,31.26) 64.71,31.23 arc(64.76,31.21) 64.79,31.15 64.79,20.01 65.8,19 65.8,17.98 arc(65.77,17.92) 65.71,17.89 65.69,17.89 arc(65.48,17.81) 65.4,17.61 arc(65.48,17.4) 65.69,17.32 66.11,17.32 arc(66.17,17.3) 66.2,17.23 arc(66.17,17.17) 66.11,17.15 65.69,17.15 arc(65.48,17.07) 65.4,16.86 arc(65.48,16.66) 65.69,16.58 66.11,16.58 arc(66.17,16.55) 66.2,16.49 arc(66.17,16.43) 66.11,16.41 65.69,16.41 arc(65.48,16.32) 65.4,16.12 arc(65.48,15.92) 65.69,15.84 65.71,15.84 arc(65.77,15.81) 65.8,15.75 65.8,12 v9(65.65,11.85)
  vias: v2(63.6,37.75)
